# Allegro board AIC8800D80P_EVB_V2-PCB.brd (continued)
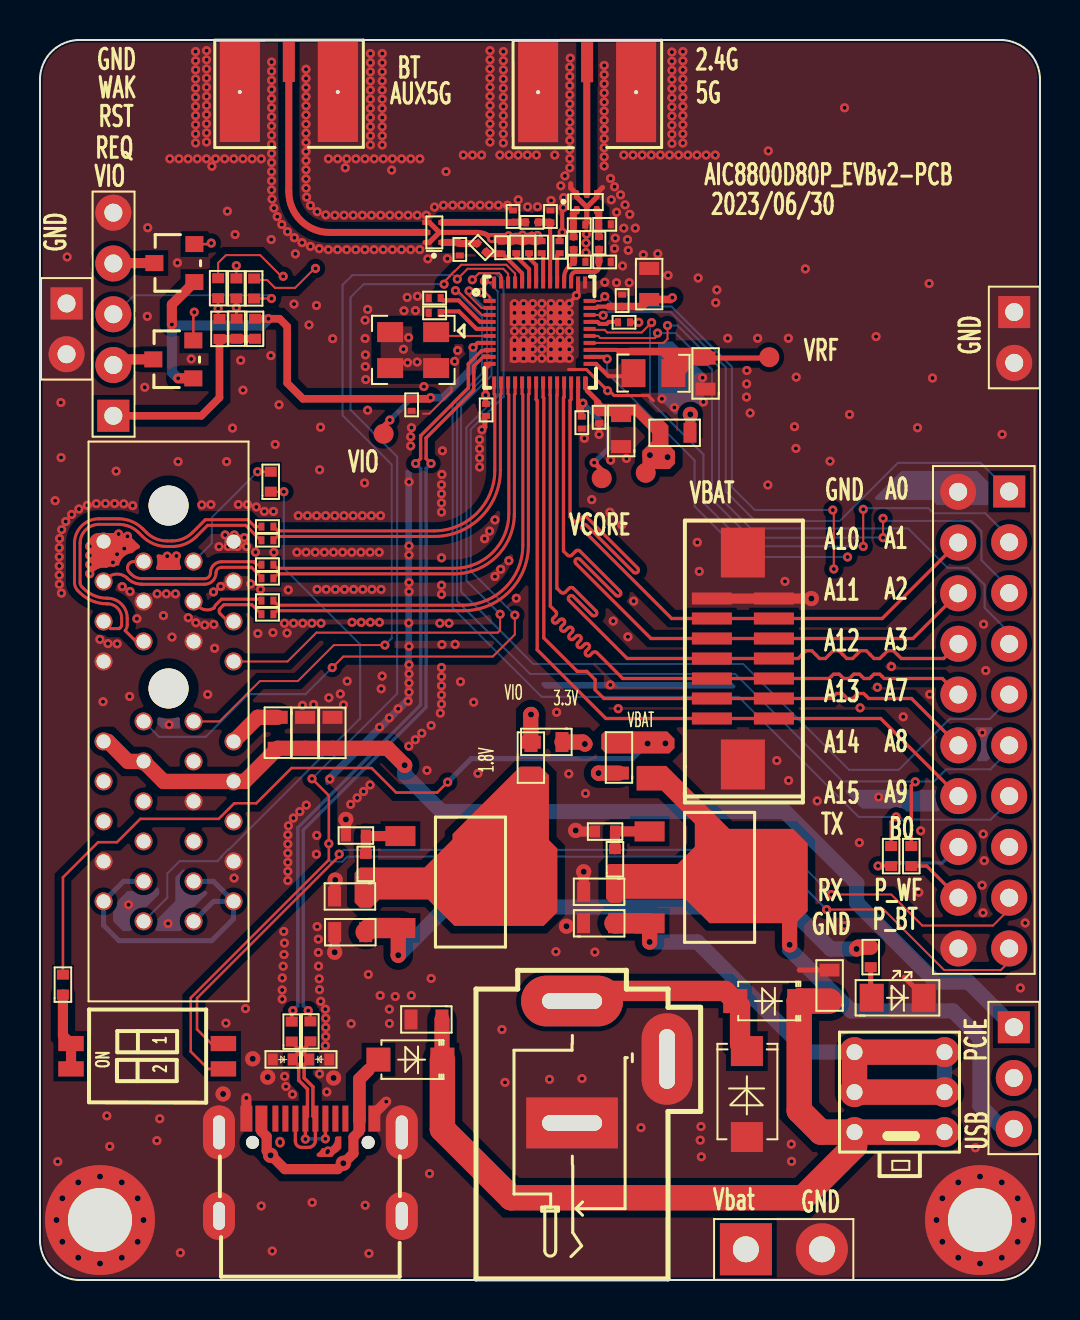
[diagram p0: board, top side]
## Routing (per net, layer and track width the routed paths; a pad name or vN(x,y) marks a point on that pad's centre or on a via; arc(x,y) is an arc through that point) (continued)
VBAT: length 45.5
  TOP w0.127: v2(20.38,24.91) 19.86,24.39 17.8,24.39 16.58,25.61 12.58,25.61 10.82,23.85 9.72,23.85 9.42,23.56 9.42,23.56 8.94,23.07 5.02,23.07 3.85,21.9 2.9,21.9 1.15,20.14 R21.2
  TOP w0.203: C27.2 27.95,43.92 27.26,44.62 U8.24
  TOP w0.254: T1.1 30.29,41.05 v1(30.5,41.26)
  TOP w0.381: 28.98,43.46 29.03,43.51
  TOP w0.508: 29.03,43.51 29.83,43.51 R24.1 30.92,42.35 30.92,41.78 30.62,41.48 30.62,41.39 v1(30.5,41.26) ; C27.2 28.84,43.46 C21.2
  BOTTOM w0.254: v1(30.38,26.84) 29.63,26.08 21.56,26.08 v2(20.38,24.91)
  vias: v1(31.27,26.84) v1(31.38,41.17)
VCC5V: length 37.2
  TOP w0.762: U2.3 v1(30.48,16.91)
  TOP w1.016: U2.3 28.74,17.84 C25.2
  TOP w1.27: SW2.4 SW2.1 SW2.2 SW2.5
  BOTTOM w0.762: v1(30.48,16.91) 32.87,16.91 38.38,11.4 SW2.1 SW2.4 SW2.5 SW2.2
VCC5V_IN: length 48.5
  TOP w0.762: D5.1 20.1,11.05 C22.1
  TOP w1.27: D5.1 20.12,7.55 23.56,4.11 38.15,4.11 40.73,6.69 SW2.3 ; SW2.3 39.04,7.4 37.96,8.48 D1.1 37.96,13.96 C31.1 ; SW2.3 SW2.6
  BOTTOM w0.762: SW2.6 SW2.3
VCC33: length 58.4
  TOP w0.762: v1(40.83,16.56) 40.91,16.65 R18.1 ; v1(17.91,16.25) 17.91,17.5 U4.3 ; v1(27.24,26.81) 27.14,26.91 R29.1 ; R23.1 v1(27.93,25.36)
  TOP w1.016: C20.2 16.49,17.61 U4.3
  L3_VCC w0.762: v1(27.93,25.36) 27.93,26.13 v1(27.24,26.81) 26.02,26.81 17.91,18.7 v1(17.91,16.25) ; v1(40.83,16.56) 42.23,16.56 48.69,10.11 SW4.2
  BOTTOM w0.762: v1(17.91,16.25) 20.32,18.65 37.44,18.65 39.53,16.56 v1(40.83,16.56)
VCC33_P: length 53.7
  TOP w0.762: J2.A10 3.39,26.94 4.39,25.94 J2.A9 6.18,24.94 J2.B8 10.23,24.94 R42.1 C47.2 C48.2 17.38,26.6 v1(18.23,25.75)
  BOTTOM w0.762: SW4.1 46.43,14.91 44.8,14.91 40.84,18.87 40.84,19.85 37.25,23.44 20.08,23.44 18.23,25.28 v1(18.23,25.75)
VCC33_U: length 20.5
  TOP w0.762: v1(37.48,16.77) U2.4
  BOTTOM w0.762: SW4.3 48.16,7.57 46.99,8.74 46.99,12.11 45.64,13.46 40.56,13.46 37.48,16.54 v1(37.48,16.77)
BT_ANT: length 1.8
  TOP w0.349: L6.1 21.86,51.86 21.86,51.85 C5.1 20.94,51.91 U1.1
BT_AUX_ANT: length 14.5
  TOP w0.349: J4.1 12.44,54.44 arc(13.04,53) 14.48,52.41 U1.5
BT_DVDD: length 1.6
  TOP w0.203: C1.1 24.45,51.12 24.81,50.77 U8.42
BT_IND: length 1.7
  TOP w0.203: U8.43 24.46,50.57 23.81,51.21 L1.2
DECAP0: length 1.5
  TOP w0.203: C11.2 28.88,47.93 28.43,47.93 28.34,47.83 27.98,47.83 27.88,47.93 U8.31
DECAP1: length 1.5
  TOP w0.203: C2.2 25.16,51.29 U8.41
DECAP2: length 2.9
  TOP w0.203: C14.2 20.15,49.01 20.93,49.01 22.01,47.93 U8.4
GPIOA0: length 30.8
  TOP w0.102: v2(28.16,48.26) 28.14,48.28 U8.32
  BOTTOM w0.102: v2(28.16,48.26) 28.31,48.42 31.54,48.42 34.29,45.66 34.29,39.45 35.77,37.97 39.98,37.97 42.89,40.88 47.03,40.88 J15.1
GPIOA1: length 32.5
  TOP w0.102: v2(30.58,47.9) 30.08,47.4 28.36,47.4 28.23,47.53 27.53,47.53 U8.30 ; v2(41.16,36.7) v2(41.16,38.55)
  BOTTOM w0.102: J15.3 48.46,37.16 47.26,38.36 44.67,38.36 44.42,38.61 41.22,38.61 v2(41.16,38.55) ; v2(41.16,36.7) 35.35,36.7 33.17,38.88 33.17,41.29 30.5,43.97 30.5,47.82 v2(30.58,47.9)
GPIOA2: length 33.1
  TOP w0.102: v2(30.88,47.37) 30.88,47.25 30.75,47.12 28.01,47.12 27.91,47.23 U8.29 ; v2(42.15,37.14) v2(42.15,38.1)
  BOTTOM w0.102: 48.46,34.62 48.71,34.37 ; 48.46,34.62 47.07,36.01 47.07,37.46 46.55,37.98 42.28,37.98 v2(42.15,38.1) ; 48.46,34.62 J15.5 ; v2(30.88,47.37) 31.22,47.37 31.22,47.37 31.53,47.37 31.54,47.37 31.78,47.37 33.6,45.54 33.6,39.05 35.51,37.14 v2(42.15,37.14)
GPIOA3: length 33.8
  TOP w0.102: U8.28 31.18,46.88 31.38,47.08 v2(31.38,47.75)
  BOTTOM w0.102: 48.46,32.39 47.23,33.62 47.23,34.78 46.39,35.62 45.39,35.62 43.41,37.6 35.54,37.6 33.95,39.18 33.95,45.67 31.87,47.75 v2(31.38,47.75) ; 48.46,32.39 48.71,32.14 48.71,31.83 ; 48.46,32.39 J15.7
GPIOA7: length 49.9
  TOP w0.102: v2(22.04,49.4) 22.26,49.4 22.48,49.18 U8.1
  BOTTOM w0.102: 48.46,29.03 47.49,28.07 45.48,28.07 42.94,25.52 40.45,25.52 35.15,30.82 24.67,30.82 21.06,34.43 21.06,43.73 22.57,45.24 22.57,49.12 22.29,49.4 v2(22.04,49.4) ; 48.46,29.03 48.71,29.29 ; 48.46,29.03 J15.9
GPIOA8: length 54
  TOP w0.102: v2(21.45,49.48) 21.45,49.48 21.46,49.45 21.46,49.25 22.08,48.63 U8.2
  TOP w0.17: v2(43.76,24.92) 43.56,24.72 R20.2
  BOTTOM w0.102: 48.46,26.49 47.51,25.54 45.3,25.54 44.7,24.94 40.13,24.94 34.75,30.32 24.5,30.32 20.85,33.97 20.85,43.82 22.35,45.32 22.35,48.52 21.45,49.41 v2(21.45,49.48) ; 48.46,26.49 J15.11 ; 48.46,26.49 48.71,26.75
  BOTTOM w0.17: v2(43.76,24.92) 43.81,24.92 43.82,24.94
GPIOA9: length 54
  TOP w0.102: v2(20.77,49.49) 20.88,49.49 22.09,48.28 U8.3
  TOP w0.17: v2(42.81,23.17) 42.56,22.92 R19.2
  BOTTOM w0.102: v2(42.81,23.17) 40.93,23.17 34.93,29.18 25.08,29.18 20.63,33.63 20.63,43.89 22.11,45.36 22.11,48.16 v2(20.77,49.49) ; 48.46,23.95 47.54,23.03 43.1,23.03 42.97,23.17 ; 48.46,23.95 48.71,24.21 ; 48.46,23.95 J15.13
  BOTTOM w0.17: 42.97,23.17 v2(42.81,23.17)
GPIOA10: length 37.9
  TOP w0.163: U8.22 26.56,44.05 26.5,44 26.5,38.17 26.71,37.97 arc(26.81,37.92) 26.91,37.97 27.12,38.17 arc(27.22,38.22) 27.32,38.17 29.88,35.62 arc(29.88,35.41) 29.67,35.41 27.32,37.76 arc(27.12,37.76) 27.12,37.56 31.58,33.09 J3.6 J3.13 42.11,33.09 J15.4
GPIOA11: length 37.4
  TOP w0.163: J15.6 43.65,32.09 J3.12 J3.5 30.55,32.09 26.79,35.85 arc(26.79,36.05) 26.99,36.05 28.79,34.26 arc(29,34.26) 29,34.46 26.99,36.46 arc(26.89,36.51) 26.79,36.46 26.58,36.26 arc(26.48,36.22) 26.38,36.26 26.17,36.47 26.17,44.13 26.21,44.16 U8.21
GPIOA12: length 38.2
  TOP w0.102: 45.46,31.36 45.46,31.32
  TOP w0.163: 45.46,31.32 45.92,31.79 J15.8 45.18,31.09 43.06,31.09 42.67,31.48 42.38,31.48 41.99,31.09 41.7,31.09 41.31,31.48 41.02,31.48 40.63,31.09 40.34,31.09 39.95,31.48 39.66,31.48 39.27,31.09 38.98,31.09 38.59,31.48 38.3,31.48 37.91,31.09 J3.11 J3.4 29.36,31.09 26.46,33.99 arc(26.46,34.19) 26.67,34.19 27.6,33.26 arc(27.8,33.26) 27.8,33.47 26.67,34.61 arc(26.56,34.65) 26.46,34.61 26.26,34.4 arc(26.15,34.36) 26.05,34.4 25.84,34.61 25.84,44.27 25.86,44.28 U8.20
GPIOA13: length 37.5
  TOP w0.163: U8.19 25.51,44.28 25.52,44.27 25.52,33.71 25.79,33.44 arc(25.83,33.34) 25.79,33.23 25.66,33.11 arc(25.66,32.9) 25.86,32.9 25.99,33.03 arc(26.2,33.03) 26.2,32.82 26.07,32.69 arc(26.07,32.49) 26.27,32.49 26.4,32.62 arc(26.61,32.62) 26.61,32.41 26.48,32.28 arc(26.48,32.08) 26.68,32.08 26.81,32.21 arc(27.02,32.21) 27.02,32 26.89,31.87 arc(26.89,31.67) 27.1,31.67 27.22,31.8 arc(27.43,31.8) 27.43,31.59 27.3,31.46 arc(27.3,31.26) 27.51,31.26 27.64,31.39 arc(27.74,31.43) 27.84,31.39 29.14,30.09 J3.3 J3.10 39.46,30.09 39.68,30.31 39.97,30.31 40.18,30.09 40.47,30.09 40.69,30.31 40.98,30.31 41.19,30.09 41.48,30.09 41.7,30.31 41.99,30.31 42.2,30.09 45.12,30.09 J15.10
GPIOA14: length 36.5
  TOP w0.163: U8.18 25.16,44.16 25.19,44.13 25.19,32.12 26.86,30.45 27.34,30.45 27.76,30.03 27.76,29.53 28.19,29.09 J3.2 J3.9 39.57,29.09 39.82,29.34 40.11,29.34 40.36,29.09 40.65,29.09 40.9,29.34 41.19,29.34 41.44,29.09 43.58,29.09 J15.12
GPIOA15: length 37.5
  TOP w0.163: J15.14 42.04,28.09 J3.8 J3.1 28.29,28.09 24.86,31.53 24.86,44 24.81,44.05 U8.17
GPIOB0: length 38.9
  TOP w0.102: 48.71,21.67 48.46,21.41 J15.15
  TOP w0.203: U8.26 28.25,46.18 v2(28.35,46.07)
  L3_VCC w0.102: v2(40.38,36.17) 41.43,35.12 41.43,25.97 44.44,22.97 47.16,22.97 J15.15
  BOTTOM w0.102: v2(28.35,46.07) 28.35,45.37 32.73,41 32.73,38.7 35.26,36.17 v2(40.38,36.17)
PCIE_CLK_N: length 17.6
  TOP w0.152: C44.2 10.76,37.69 10.75,37.68 10.4,38.03 8.26,38.03 7.62,37.39 arc(7.16,37.08) 6.61,36.97 6.35,36.97 arc(5.79,37.08) 5.32,37.4 5.14,37.58 arc(4.58,37.95) 3.93,38.08 2.95,38.08 arc(2.08,37.72) 1.73,36.86 1.73,34.89 arc(1.77,34.67) 1.89,34.48 1.99,34.39 arc(2.61,33.97) 3.35,33.83 3.37,33.83 arc(3.87,33.62) 4.08,33.11 4.08,32.77 arc(4.07,32.71) 4.05,32.67 4.03,32.65 4.02,32.65 3.96,32.59 3.53,32.59 J2.A14
PCIE_CLK_P: length 17.6
  TOP w0.152: C43.2 11.03,37.01 10.28,37.75 8.38,37.75 7.82,37.2 arc(7.27,36.82) 6.61,36.69 6.35,36.69 arc(5.68,36.83) 5.12,37.2 4.94,37.38 arc(4.48,37.69) 3.93,37.8 2.95,37.8 arc(2.28,37.52) 2,36.86 2,34.89 arc(2.03,34.78) 2.09,34.68 2.18,34.59 arc(2.72,34.23) 3.35,34.11 3.37,34.11 arc(4.07,33.82) 4.36,33.11 4.36,32.77 arc(4.33,32.62) 4.26,32.49 4.8,31.94 J2.A13
PCIE_PERST_N: length 55.8
  TOP w0.102: v2(21.61,50.04) 21.62,50.04 21.62,50.04 21.95,50.36 22.95,50.36 23.06,50.26 U8.47 ; v2(23.74,33.26) 23.74,32.29 22.64,31.19 15.16,31.19 v2(14.61,30.64) ; R7.1 10.78,50.03 11.36,50.03 11.75,49.63 12.75,49.63 13.73,50.61 v2(13.78,50.61)
  L3_VCC w0.102: v2(21.61,50.04) 21.05,50.61 v2(13.78,50.61)
  BOTTOM w0.102: J2.A11 5.95,27.17 8.29,27.17 10.42,29.31 13.28,29.31 v2(14.61,30.64) ; v2(21.61,50.04) 21.93,50.35 22.79,50.35 23.18,49.96 23.18,44.19 21.54,42.54 21.54,35.47 v2(23.74,33.26)
PCIE_REQ_N: length 50.4
  TOP w0.102: R8.1 8.91,50.88 9.3,51.27 11.01,51.27 12.07,50.21 v2(12.16,50.21) ; v2(23.01,33.31) 23.01,32.5 22.89,32.38 13.82,32.38 12.38,30.94 J2.B12 ; U8.48 22.29,49.9 v2(22.22,49.97)
  L3_VCC w0.102: v2(22.22,49.97) 22.46,49.97 22.56,49.87 22.56,49.11 22.46,49.01 20.26,49.01 19.3,49.97 12.4,49.97 v2(12.16,50.21)
  BOTTOM w0.102: v2(22.22,49.97) 22.36,49.97 22.89,49.45 22.89,44.22 21.32,42.65 21.32,34.99 v2(23.01,33.31)
PCIE_RX_N: length 3.8
  TOP w0.152: J2.B15 7.91,33.71 arc(8.29,33.52) 8.7,33.62 arc(8.74,33.71) 8.8,33.79 9.08,34.06 11,34.06 C40.2
PCIE_RX_P: length 3.5
  TOP w0.152: C39.2 10.59,33.78 9.19,33.78 9,33.59 arc(8.98,33.56) 8.97,33.53 arc(8.96,33.42) 9.01,33.33 9.43,32.91 arc(9.54,32.86) 9.64,32.91 J2.B14
PCIE_TX_N: length 8.5
  TOP w0.152: C42.2 10.84,35.78 10.69,35.93 9.08,35.93 arc(8.69,35.77) 8.52,35.38 arc(8.44,35.17) 8.23,35.08 7.48,35.08 7.48,35.09 5.08,35.09 arc(4.8,35.14) 4.57,35.3 4.47,35.4 arc(4.4,35.75) 4.69,35.94 J2.A17
PCIE_TX_P: length 8.9
  TOP w0.152: J2.A16 3.34,35.1 arc(3.86,35.32) 4.38,35.1 arc(4.7,34.88) 5.08,34.81 5.08,34.8 8.23,34.8 arc(8.63,34.97) 8.8,35.38 arc(8.88,35.57) 9.08,35.65 10.57,35.65 11.07,35.16 C41.2
PCIE_WAKE_N: length 51.6
  TOP w0.102: J2.B11 8.98,27.94 11,29.96 12.89,29.96 14.69,31.76 v2(17.25,31.76) ; v2(20.86,50.07) 21.38,50.59 23.16,50.59 23.41,50.34 U8.46 ; R41.1 v2(9.82,50.74)
  L3_VCC w0.102: v2(20.86,50.07) 20.72,50.21 12.93,50.21 12.41,50.74 v2(9.82,50.74)
  BOTTOM w0.102: v2(20.86,50.07) 20.66,50.27 15.62,50.27 15.13,49.78 15.13,43.25 17.59,40.79 17.59,32.1 v2(17.25,31.76)
PRSNT2N: length 6.5
  TOP w0.102: R40.2 v2(10.88,40.43)
  BOTTOM w0.102: J2.B17 8.59,36.86 8.59,38.15 v2(10.88,40.43)
PWR_BT: length 94.2
  TOP w0.102: v2(39.33,18.53) 42.18,18.53 45.21,15.51 48.04,15.51 48.46,15.93 ; U8.45 23.76,50.35 23.32,50.79 21.07,50.79 20.73,50.45 20.71,50.45 20.48,50.23 20.48,50.21 20.2,49.92 v2(20.2,49.81) ; J15.19 48.46,15.93 ; 48.46,15.93 48.71,16.18 48.71,16.59
  TOP w0.127: SW3.2 8.41,10.56 7.54,11.43 7.54,14.11 14.44,21.02 v2(14.44,21.83) 14.44,24.23 v2(13.6,25.08)
  BOTTOM w0.102: v2(39.33,18.53) 36.68,21.18 15.37,21.18 15.12,20.92 14.54,20.92 14.44,21.03 v2(14.44,21.83) ; v2(20.2,49.81) 16.18,49.81 15.53,49.16 15.53,43.53 16.55,42.51 16.55,42.5 17.86,41.19 17.86,29.33 v2(13.6,25.08)
PWR_WF: length 94.8
  TOP w0.102: v2(39.64,38.52) 39.69,38.47 v2(39.69,35.57) ; 48.46,18.54 48.71,18.79 48.71,19.13 ; 48.46,18.54 47.65,17.73 44.12,17.73 42.56,19.28 v2(39.56,19.28) ; 48.46,18.54 J15.17 ; v2(28.24,49.2) 28.02,48.98 U8.34
  TOP w0.127: SW3.4 8.56,11.83 7.85,12.54 7.85,14.1 14.96,21.21 v2(14.96,21.31)
  L3_VCC w0.102: v2(39.69,35.57) 40.55,34.71 40.55,24.6 44.78,20.37 47.22,20.37 J15.17
  BOTTOM w0.102: v2(14.96,21.31) 15.17,21.52 37.33,21.52 v2(39.56,19.28) ; v2(28.24,49.2) 28.74,48.7 31.57,48.7 34.59,45.67 34.59,39.67 35.74,38.52 v2(39.64,38.52)
USB_DM: length 37.7
  TOP w0.17: 13.51,12.89 13.52,12.9 R14.2 13.52,13.37 v2(13.41,13.48) ; v2(19.55,40.84) 19.3,41.09 19.3,42.12 21.69,44.51 21.69,45.41 21.69,45.41 21.69,45.71 22.19,46.21 22.44,46.21 U8.9
  BOTTOM w0.17: v2(13.41,13.48) 13.16,13.73 13.16,22.52 19.3,28.66 19.3,40.6 v2(19.55,40.84)
USB_DP: length 38.2
  TOP w0.17: U8.8 22.44,46.49 22.07,46.49 21.41,45.83 21.41,45.3 21.42,45.3 21.42,44.62 19.03,42.24 19.03,41.09 v2(18.78,40.84) ; v2(12.64,13.48) 12.59,13.42 R15.2 12.59,12.9 12.59,12.9 12.58,12.89
  BOTTOM w0.17: v2(12.64,13.48) 12.89,13.73 12.89,22.63 19.03,28.77 19.03,40.6 v2(18.78,40.84)
V_RF: length 9.7
  TOP w0.203: 29.48,46.45 28.92,46.45 28.84,46.53 U8.27
  TOP w0.254: C19.2 36.42,46.12 T4.1
  TOP w0.381: 29.48,46.45 32.95,46.45 C19.2
  TOP w0.762: 32.92,46.12 C19.2 ; L4.2 31.8,45.49
VCORE: length 14.6
  TOP w0.203: 27.02,43.37 26.91,43.49 U8.23
  TOP w0.254: 27.02,43.37 27.02,43.74 27.09,43.81 ; C18.2 27.09,43.81 ; 27.09,43.81 v2(27.14,43.86) ; U8.10 22.28,45.63 v2(22.28,44.27) 22.28,43.85 C17.2 ; v2(27.71,40.89) 28.09,40.51 T3.1
  L3_VCC w0.508: v2(22.28,44.27) 26.74,44.27 v2(27.14,43.86)
  BOTTOM w0.254: v2(27.14,43.86) 28.41,42.6 28.41,41.59 v2(27.71,40.89)
VIO: length 51.9
  TOP w0.203: U8.7 21.88,46.88 v2(21.65,46.65)
  TOP w0.254: T2.1 17.18,42.71 v2(17.49,43.02)
  TOP w0.381: R36.2 v2(11.42,48.09) 11.98,48.09 12.36,47.71 12.36,44.87 13.15,44.08 C16.2 19.47,44.08 v2(19.53,44.14)
  TOP w0.508: v2(6.59,47.8) 6.59,48.8 PQ2.1 ; PQ1.1 v2(6.91,45.11)
  TOP w0.762: R26.2 24.54,28.28 v1(24.55,28.29)
  L3_VCC w0.508: v2(19.53,44.14) 20.21,44.14 21.15,43.2 22.65,43.2 24.55,41.3 v1(24.55,28.29)
  BOTTOM w0.254: v2(17.49,43.02) 18.48,44.01 19.4,44.01 v2(19.53,44.14)
  BOTTOM w0.381: v2(19.53,44.14) 20.15,44.14 21.65,45.65 v2(21.65,46.65)
  BOTTOM w0.508: v2(6.91,45.11) 6.59,45.42 v2(6.59,47.8) 6.66,47.8 6.72,47.75 11.08,47.75 v2(11.42,48.09)
WF_5G_ANT: length 1.4
  TOP w0.349: U9.3 27.94,53.42 C10.1 27.94,52.19 C45.2
WF_24G_ANT: length 1.4
  TOP w0.349: L5.2 26.66,52.19 C8.1 26.66,53.35 U9.1
WF_AUX5G_ANT: length 4.2
  TOP w0.349: U1.3 20.12,52.91 C4.1 23.66,52.92 24.29,52.92 24.29,52.91 C46.2
WF_IND: length 1.5
  TOP w0.203: U8.39 25.86,51.24 L2.1
WL_ANT: length 6.6
  TOP w0.349: J5.1 27.34,60.9 U9.5
XTAL0: length 2.8
  TOP w0.102: U8.6 20,47.23 Y1.1
N17021817: length 2.9
  TOP w0.203: C9.1 27.94,50.63 arc(27.88,50.49) 27.73,50.43 26.78,50.43 arc(26.71,50.41) 26.64,50.37 arc(26.58,50.27) 26.56,50.16 U8.37
  TOP w0.349: C9.1 27.95,50.94 C45.1
N17021821: length 1.8
  TOP w0.203: U8.38 26.21,50.14 arc(26.27,50.44) 26.43,50.69 C7.1
  TOP w0.349: C7.1 26.68,50.94 L5.1
N17021825: length 3.7
  TOP w0.203: C3.1 25.51,52.89 U8.40
  TOP w0.349: C46.1 24.89,52.91 24.89,52.92 25.51,52.92 C3.1
N17021833: length 2.7
  TOP w0.203: U8.44 24.11,50.36 23.12,51.34 C6.1
  TOP w0.349: 22.29,51.43 22.38,51.34 C6.1 ; 22.29,51.43 L6.2 ; 22.29,51.43 22.29,51.43
N17022732: length 2.5
  TOP w0.203: L4.1 29.52,45.22 28.42,45.22 27.81,45.83 U8.25
N17023105: length 22.9
  TOP w0.152: C39.1 11.85,33.48 21.15,33.48 arc(23.46,34.44) 24.42,36.75 24.42,44.29 24.46,44.33 U8.16
N17023107: length 22.4
  TOP w0.152: U8.15 24.11,44.33 24.14,44.29 24.14,36.75 arc(23.27,34.63) 21.15,33.76 11.9,33.76 C40.1
N17023110: length 20.6
  TOP w0.152: 23.72,38.2 23.72,38.2 23.72,38.33 ; 23.72,38.2 arc(23.72,38.27) 23.72,38.33 ; 23.72,38.2 arc(22.79,36.16) 20.71,35.32 11.89,35.32 C41.1 ; 23.72,38.33 23.72,44.29 23.76,44.33 U8.14
N17023113: length 20
  TOP w0.152: U8.13 23.41,44.33 23.44,44.29 23.44,38.33 arc(22.64,36.4) 20.71,35.6 11.85,35.6 C42.1
N17023116: length 17.7
  TOP w0.152: C43.1 11.86,37.2 19.7,37.2 arc(22.05,38.17) 23.02,40.51 23.02,44.29 23.06,44.33 U8.12
N17023119: length 17.3
  TOP w0.152: U8.11 22.71,44.33 22.74,44.29 22.74,40.51 arc(21.85,38.36) 19.7,37.47 11.88,37.47 C44.1
N17026336: length 7.5
  TOP w0.163: v2(14.27,7.06) U3.B6 ; U3.A6 v2(13.27,7.05)
  TOP w0.17: R15.1 12.59,11.9 12.59,11.9 12.58,11.89 12.86,11.62 12.86,11.26 D4.1 12.93,10.74 12.93,9.99 13.37,9.55 13.37,8.18 U3.A6
  BOTTOM w0.163: v2(14.27,7.06) 13.28,7.06 v2(13.27,7.05)
N17026338: length 8
  TOP w0.163: U3.B7 12.77,6.95 arc(12.86,6.73) 13.08,6.63 13.42,6.63 arc(13.67,6.74) 13.77,6.98 U3.A7
  TOP w0.17: U3.A7 13.65,8.2 13.65,9.67 13.21,10.11 13.21,10.77 D3.1 13.24,11.26 13.24,11.61 13.52,11.9 R14.1
N17026340: length 12
  TOP w0.508: 11.53,6.26 11.33,6.45 11.33,7.18 11.07,7.44 U3.A4B9 ; 11.53,6.26 v1(11.53,6.24) ; 11.53,6.26 12.24,5.55 14.89,5.55 15.17,5.83 ; D5.2 16.92,11 16.42,10.5 ; 15.17,5.83 15.67,6.34 15.67,7.15 15.97,7.44 15.97,7.98 ; 15.17,5.83 v1(15.17,5.84)
  TOP w0.635: 16.42,10.5 15.97,10.05 U3.B4A9 15.97,7.98
N17028175: length 2.6
  TOP w0.508: R12.2 28.75,22.43 R13.1 28.76,22.44 29.89,22.44 U2.1
N17028269: length 2.7
  TOP w0.508: R16.2 16.29,21.32 R17.1 16.32,22.21 17.49,22.21 U4.1
N17061968: length 29.3
  TOP w0.102: R40.1 v2(12.19,39.43)
  BOTTOM w0.102: J2.A1 6.37,19.13 6.37,20.34 6.98,20.95 8.86,20.95 9.08,21.16 9.08,21.19 9.43,21.54 9.46,21.54 16.01,28.1 16.01,31.79 12.19,35.61 v2(12.19,39.43)
N17075980: length 5.7
  TOP w0.102: J15.16 45.92,21.92 46.17,21.67
  TOP w0.163: v2(41.9,20.72) 42.29,20.72 42.29,20.71 R19.1
  BOTTOM w0.163: v2(41.9,20.72) 41.95,20.72 42.1,20.87 45.12,20.87 J15.16
N17075982: length 3.6
  TOP w0.102: 46.17,19.13 45.92,19.38 J15.18
  TOP w0.163: R20.1 44.34,20.71 J15.18
N17092547: length 3.9
  TOP w0.508: SW3.1 SW3.3 1.15,12.23 R21.1
N17093697: length 11.3
  TOP w1.016: D2.2 35,11.79 35,13.71 D1.2 34.25,14.46 27.11,14.46 CON5.2
N17096512: length 4.9
  TOP w0.127: v2(7.71,48.42) 7.67,48.37 PQ1.2 ; R4.1 9.82,48.1 v2(9.82,48.65) R41.2
  L3_VCC w0.127: v2(7.71,48.42) 7.97,48.17 9.33,48.17 v2(9.82,48.65)
N17096546: length 10.4
  TOP w0.381: J14.1 8.07,43.23 8.97,44.14 R5.2 8.98,47.09 R4.2 R36.1
N17096564: length 5.3
  TOP w0.127: R5.1 8.91,48.14 v2(8.91,48.6) R8.2 ; PQ2.2 7.72,51.82 8.51,51.82 v2(8.56,51.87)
  L3_VCC w0.127: v2(8.91,48.6) 8.56,48.94 v2(8.56,51.87)
N17096578: length 9.2
  TOP w0.102: R7.2 v2(11.57,49.1)
  BOTTOM w0.102: v2(11.57,49.1) 11.41,49.26 4.7,49.26 3.75,48.31 J14.3
N17097504: length 2.1
  TOP w0.508: J14.2 3.95,46.06 PQ1.3
N17097756: length 2.7
  TOP w0.762: J2.B10 10.89,28.15 R42.2
N17099328: length 2.1
  TOP w0.508: PQ2.3 3.69,50.87 J14.4
N17102199: length 1.6
  TOP w0.254: LED1.2 41.53,14.17 R18.2

## Copper pours and planes (outline as drawn; the poured copper is in the pictures)
GND on TOP (solid shape): 24.76,52.4 24.94,52.38 25.02,52.35 25.05,52.28 25.05,51.82 25.01,51.82 24.93,51.8 24.85,51.76 24.69,51.76 24.68,51.76 24.45,51.82 24.23,51.76 24.22,51.76 24.05,51.76 24.04,51.76 23.81,51.82 23.59,51.76 23.58,51.76 23.41,51.76 23.4,51.77 23.25,51.85 23.08,51.87 22.59,51.87 22.5,51.93 22.39,51.96 22.35,52.09 22.27,52.21 22.25,52.32 22.35,52.38 23.65,52.38 23.7,52.38 23.76,52.39 24.19,52.39 24.2,52.39 24.4,52.39 24.59,52.47
GND on BOTTOM (solid shape): 47.42,39.91 47.42,38.76 44.84,38.76 44.59,39.02 41.85,39.02 41.76,39.08 41.78,39.19 43.06,40.47 46.86,40.47
GND on BOTTOM (solid shape): 34.74,29.76 34.76,29.65 34.67,29.58 25.25,29.58 25.1,29.74 25.07,29.85 25.17,29.91 34.59,29.91
GND on BOTTOM (solid shape): 18.26,40.44 18.33,40.53 18.44,40.51 18.51,40.45 18.59,40.4 18.59,28.95 14.43,24.8 14.35,24.77 14.27,24.82 14.26,24.83 14.26,25.16 18.26,29.16
GND on BOTTOM (solid shape): 33.2,45.38 33.2,43.76 33.13,43.67 33.01,43.7 32.35,43.91 31.89,43.38 31.82,43.3 31.72,43.33 30.9,44.14 30.9,46.89 30.95,46.89 31.04,46.92 31.13,46.96 31.61,46.96
GND on BOTTOM (solid shape): 43.48,24.53 43.71,24.44 43.95,24.48 43.96,24.48 43.99,24.48 44.05,24.53 44.7,24.53 44.78,24.5 44.8,24.41 44.8,23.99 44.96,23.6 44.96,23.49 44.87,23.44 43.31,23.44 43.18,23.56 43.01,23.61 42.77,23.65 42.55,23.58 41.1,23.58 40.32,24.36 40.3,24.47 40.39,24.53
GND on BOTTOM (solid shape): 5.89,19.64 5.96,19.54 5.96,19.3 5.29,18.63 5.26,18.63 4.6,18.33 4.57,17.61 4.57,17.51 4.48,17.46 4.15,17.46 3.66,17.94 3.66,18.45 3.81,18.67 3.87,18.93 3.87,18.95 4.38,19.46 4.68,19.46 5.26,19.26 5.77,19.59
GND on BOTTOM (solid shape): 7.23,20.47 7.21,20.45 7.17,19.47 8.16,19.45 8.17,19.46 8.27,19.46 8.36,19.4 8.34,19.29 7.69,18.63 7.67,18.63 7.08,18.29 7.07,17.61 7.07,17.51 6.98,17.46 5.87,17.46 5.78,17.51 5.78,17.61 5.86,17.81 5.86,18.03 5.86,18.05 6.77,18.96 6.77,20.17 7.15,20.54 7.23,20.54
GND on L3_VCC (solid shape): 40.96,25.62 41.02,25.72 41.13,25.7 44.27,22.56 44.96,22.56 45.05,22.5 45.04,22.39 44.78,21.61 45.11,20.86 45.13,20.84 45.13,20.77 44.95,20.77 43.09,22.63 43.06,22.71 43.1,22.79 43.15,23.51 42.42,23.46 42.35,23.42 42.27,23.45 40.96,24.76
GND on TOP: 0.13,60.05 0.67,61.36 1.98,61.91 12.07,61.91 12.07,59.93 12.12,59.88 12.77,59.88 12.82,59.93 12.82,61.91 27.08,61.91 27.08,59.92 27.13,59.87 27.78,59.87 27.83,59.92 27.83,61.91 48.02,61.91 49.33,61.36 49.87,60.05 49.87,2 49.32,0.68 48,0.13 36.84,0.13 36.84,3.08 33.75,3.08 33.75,0.13 2,0.13 0.68,0.68 0.13,2 ; 3 cut-outs
GND on TOP: 17.03,47.71 17.03,45.49 20.05,45.49 20.05,46.33 18.78,46.33 18.59,46.52 18.59,46.66 18.61,46.67 18.61,47.71
GND on BOTTOM: 2,0.13 0.68,0.68 0.13,2 0.13,60.05 0.67,61.36 1.98,61.91 48.02,61.91 49.33,61.36 49.87,60.05 49.87,2 49.32,0.68 48,0.13 36.84,0.13 36.84,3.08 33.75,3.08 33.75,0.13 ; 5 cut-outs
GND on L2_GND: 2,0.13 0.68,0.68 0.13,2 0.13,60.05 0.67,61.36 1.98,61.91 12.07,61.91 12.07,59.93 12.12,59.88 12.77,59.88 12.82,59.93 12.82,61.91 27.08,61.91 27.08,61.89 27.83,61.89 27.83,61.91 48.02,61.91 49.33,61.36 49.87,60.05 49.87,2 49.32,0.68 48,0.13 36.84,0.13 36.84,3.08 33.75,3.08 33.75,0.13 ; 1 cut-out
GND on L3_VCC: 0.13,60.05 0.67,61.36 1.98,61.91 48.02,61.91 49.33,61.36 49.87,60.05 49.87,2 49.32,0.68 48,0.13 36.84,0.13 36.84,0.66 37.02,0.66 37.02,23.5 32.7,27.82 32.12,27.82 32.12,41.55 31.62,42.04 30.29,42.04 29.57,41.33 29.57,27.2 29.51,27.14 29.51,26.51 33.61,22.42 33.61,1.72 33.75,1.58 33.75,0.13 2,0.13 0.68,0.68 0.13,2 ; 1 cut-out
VBAT on TOP (solid shape): 31.73,27.08 31.73,26.61 31.45,26.34 28.3,26.34 28.07,26.57 28.07,27.28 28.23,27.45 31.36,27.45
VBAT on TOP (solid shape): 27.4,45.15 27.4,44.58 28.16,43.83 29.88,43.83 30.68,43.02 31.13,43.02 31.42,42.73 31.42,41.79 31.75,41.46 31.75,40.84 31.48,40.57 30.31,40.57 30.12,40.76 30.12,41.48 30.62,41.98 30.62,42.55 29.9,43.27 28.22,43.27 28.01,43.34 27.79,43.32 27.76,43.31 27.7,43.36 27.7,43.96 27.24,44.42 27.24,44.66 27.2,44.71 27.2,45.16 27.22,45.19 27.36,45.19
VBAT on L3_VCC (solid shape): 31.74,41.39 31.74,27.44 32.54,27.44 36.64,23.34 36.64,1.05 34.82,1.05 33.99,1.88 33.99,22.58 29.9,26.67 29.9,26.98 29.95,27.04 29.95,33.56 30.17,33.96 29.95,34.37 29.95,41.17 30.44,41.66 31.47,41.66
VCC18 on TOP (solid shape): 25.45,25.26 25.45,22.01 25.87,21.59 25.87,18.4 25.18,17.71 20.72,17.71 19.4,19.04 16.97,19.04 16.56,18.62 15.99,18.62 15.73,18.88 15.73,20.36 16.01,20.64 19.22,20.64 20.62,22.04 20.62,22.3 23.99,25.67 25.03,25.67
VCC33_U on TOP (solid shape): 34.46,22.57 37.66,22.57 38.38,21.84 38.38,18.45 37.78,17.85 33.48,17.85 32.26,19.07 29.21,19.07 29,18.87 28.52,18.87 28.3,19.09 28.3,20.67 28.44,20.81 31.88,20.81 32.74,21.67 32.74,22.83 31.09,24.49 29.83,24.49 29.83,25.67 29.88,25.72 31.31,25.72
V_RF on TOP (solid shape): 33.72,46.36 33.72,46.01 33.48,45.77 32.69,45.77 32.16,45.24 32.16,44.74 31.28,44.74 31.24,44.78 31.32,44.86 31.32,45.97 30.98,46.31 29.82,46.31 29.74,46.39 28.92,46.39 28.79,46.52 28.89,46.62 33.45,46.62
N17022732 on TOP: 28.33,45.1 28.59,45.1 29.01,44.67 29.84,44.67 30.09,44.92 30.09,45.99 29.16,45.99 28.75,45.57 28.27,45.57 27.92,45.92 27.21,45.92 27.17,45.88 27.17,45.73 27.21,45.69 27.74,45.69
GND on TOP (solid shape): 15.06,6.59 14.88,6.41 14.73,6.3 14.62,6.16 13.93,6.16 13.84,6.23 13.87,6.34 14.01,6.46 14.11,6.61 14.55,6.68 14.75,7.08 14.78,7.15 14.85,7.18 15.06,7.18
GND on TOP (solid shape): 3.93,37.37 4.31,37.29 4.64,37.07 4.82,36.9 4.89,36.83 4.96,36.76 5,36.67 4.93,36.59 4.77,36.5 4.64,36.37 4.18,36.18 3.95,35.74 3.63,35.72 3.32,35.62 2.93,35.59 2.62,35.35 2.51,35.31 2.44,35.41 2.44,36.86 2.59,37.22 2.95,37.37
GND on BOTTOM (solid shape): 47.52,27.66 47.61,27.6 47.59,27.49 47.32,26.84 47.49,26.15 47.51,26.12 47.34,25.95 46.95,25.95 46.86,26 46.87,26.11 47.06,26.81 46.78,27.49 46.77,27.6 46.86,27.66

Small or netless copper shapes (teardrops, artwork), in the pictures only: 4 on TOP, 1 on BOTTOM

## Text on the board
